# Altium PCB PM.PcbDoc (part 2 of 2)
Units mil, origin at the board's own origin, x right, y up, seen from the top; angles counter-clockwise.
Board outline 527.56 x 1381.89 mil, 4 copper layers (Top Layer 1, Top Layer, Bottom Layer, Bottom Layer 1), stack 62.449 mil thick; 87 components, 77 nets, 297 pads, 164 vias.
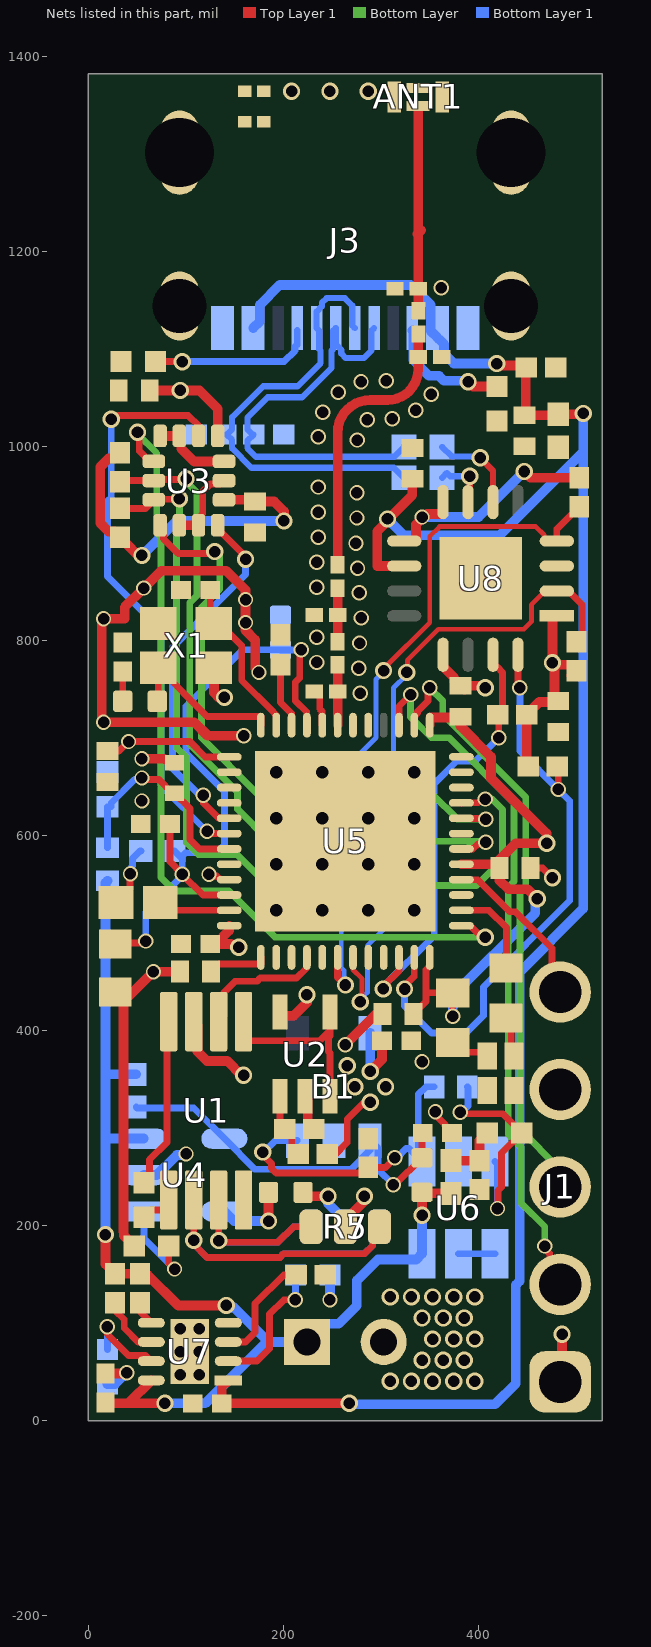
[diagram p4: the nets of this part, all layers, seen from the top]

## Part data (continued)
R13 R14: library part CMP-009-00191-1, "Fixed Resistor, Metal Glaze/thick Film, 0.1W, 5100ohm, 50V, 5% +/-Tol, 200ppm/Cel, Surface Mount, 0402", Case/Package=0402, Max Operating Temperature=155°C, Min Operating Temperature=-55°C, Package Height=0.35mm, Package Length=1mm, Package Shape=Rectangular, Package Width=0.5mm, Power=100mW, Rated Temperature=70°C, Resistor Type="FIXED RESISTOR", Temperature Coefficient (ppm/Cel)=200, Tolerance=5%, Working Voltage=50V, Construction=Rectangular, JESD-609 Code=e3, Mounting Technology="Surface Mount", Packaging="Tape and Reel", Pins=2, Reach SVHC Compliant=Yes, Reference Standard=AEC-Q200, RoHS Compliant=Yes, Technology="METAL GLAZE/THICK FILM", Terminal Finish=Nickel, Termination=Wraparound
R16 R21: library part CMP-009-00022-5, "Chip Resistor, 100 KOhm, +/- 1%, 0.1 W, -55 to 155 degC, 0402 (1005 Metric)", Case/Package=0402, Max Operating Temperature=155°C, Min Operating Temperature=-55°C, Power=100mW, Tolerance=1%, Voltage Rating=50V, Mounting Technology=SM, Pins=2, RoHS Compliant=True
R17: library part CMP-009-00183-1, "Fixed Resistor, Metal Glaze/thick Film, 0.0625W, 1ohm, 50V, 1% +/-Tol, 200ppm/Cel, Surface Mount, 0402", Case/Package=0402, Max Operating Temperature=155°C, Min Operating Temperature=-55°C, Package Height=0.35mm, Package Length=1mm, Package Shape=Rectangular, Package Width=0.5mm, Power=62.5mW, Rated Temperature=70°C, Resistor Type="FIXED RESISTOR", Temperature Coefficient (ppm/Cel)=200, Tolerance=1%, Working Voltage=50V, Additional Feature="LASER TRIMMABLE", Construction=Chip, JESD-609 Code=e3, Mounting Technology="Surface Mount", Packaging="Tape and Reel", Pins=2, Reach SVHC Compliant=Yes, RoHS Compliant=Yes, Technology="METAL GLAZE/THICK FILM", Terminal Finish=Nickel, Termination=Wraparound
R19: library part CMP-009-00194-1, "Fixed Resistor, Metal Glaze/thick Film, 0.0625W, 17800ohm, 50V, 1% +/-Tol, 100ppm/Cel, Surface Mount, 0402", Case/Package=0402, Max Operating Temperature=155°C, Min Operating Temperature=-55°C, Package Height=0.35mm, Package Length=1mm, Package Shape=Rectangular, Package Width=0.5mm, Power=62.5mW, Rated Temperature=70°C, Resistor Type="FIXED RESISTOR", Temperature Coefficient (ppm/Cel)=100, Tolerance=1%, Working Voltage=50V, Additional Feature="LASER TRIMMABLE", Construction=Chip, JESD-609 Code=e3, Mounting Technology="Surface Mount", Packaging="Tape and Reel", Pins=2, Reach SVHC Compliant=Yes, RoHS Compliant=Yes, Technology="METAL GLAZE/THICK FILM", Terminal Finish=Nickel, Termination=Wraparound
R20 R24: library part CMP-009-00179-2, "10 MOhms Â±1% 0.063W, 1/16W Chip Resistor 0402 (1005 Metric) Moisture Resistant Thick Film", Case/Package="1005 Panasonic Electronic Components", Arrow_Electronics-Purchase-URL=https://snapeda.com/shop?store=Arrow+Electronics&id=106124, Availability=Good, Component Type=Standard, Design Item ID=RC0402FR-0710ML, DigiKey-Purchase-URL=https://snapeda.com/shop?store=DigiKey&id=106124, MF=Yageo, Mouser-Purchase-URL=https://snapeda.com/shop?store=Mouser&id=106124, MP=RC0402FR-0710ML, Pins=2, Price=None, SnapEDA_Link=https://www.snapeda.com/parts/RC0402FR-0710ML/Yageo/view-part/106124/?ref=snap, Source=RC0402FR-0710ML.SchLib
R25: library part CMP-009-00184-2, "Fixed Resistor, Metal Glaze/thick Film, 0.063W, 2200000ohm, 50V, 1% +/-Tol, 100ppm/Cel, Surface Mount, 0402", Case/Package=0402, Max Operating Temperature=155°C, Min Operating Temperature=-55°C, Package Height=0.35mm, Package Length=1mm, Package Shape=Rectangular, Package Width=0.5mm, Power=63mW, Rated Temperature=70°C, Resistor Type="FIXED RESISTOR", Temperature Coefficient (ppm/Cel)=100, Tolerance=1%, Working Voltage=50V, Construction=Chip, JESD-609 Code=e3, Mounting Technology="Surface Mount", Packaging="Tape and Reel", Pins=2, Reach SVHC Compliant=Yes, Reference Standard=AEC-Q200, RoHS Compliant=Yes, Technology="METAL GLAZE/THICK FILM", Terminal Finish=Nickel, Termination=Wraparound
R29: library part CMP-009-00185-1, "Fixed Resistor, Metal Glaze/thick Film, 0.1W, 604ohm, 50V, 1% +/-Tol, 100ppm/Cel, Surface Mount, 0402", Case/Package=0402, Max Operating Temperature=155°C, Min Operating Temperature=-55°C, Package Height=0.35mm, Package Length=1mm, Package Shape=Rectangular, Package Width=0.5mm, Power=100mW, Rated Temperature=70°C, Resistor Type="FIXED RESISTOR", Temperature Coefficient (ppm/Cel)=100, Tolerance=1%, Working Voltage=50V, Construction=Rectangular, JESD-609 Code=e3, Mounting Technology="Surface Mount", Packaging="Tape and Reel", Pins=2, Reach SVHC Compliant=Yes, Reference Standard=AEC-Q200, RoHS Compliant=Yes, Technology="METAL GLAZE/THICK FILM", Terminal Finish=Nickel, Termination=Wraparound
R30: library part CMP-009-00186-1, "Fixed Resistor, Metal Glaze/thick Film, 0.1W, 27000ohm, 50V, 1% +/-Tol, 100ppm/Cel, Surface Mount, 0402", Case/Package=0402, Max Operating Temperature=155°C, Min Operating Temperature=-55°C, Package Height=0.35mm, Package Length=1mm, Package Shape=Rectangular, Package Width=0.5mm, Power=100mW, Rated Temperature=70°C, Resistor Type="FIXED RESISTOR", Temperature Coefficient (ppm/Cel)=100, Tolerance=1%, Working Voltage=50V, Construction=Rectangular, JESD-609 Code=e3, Mounting Technology="Surface Mount", Packaging="Tape and Reel", Pins=2, Reach SVHC Compliant=Yes, Reference Standard=AEC-Q200, RoHS Compliant=Yes, Technology="METAL GLAZE/THICK FILM", Terminal Finish=Nickel, Termination=Wraparound
R35 R36: library part CMP-009-00196-1, "Fixed Resistor, Metal Glaze/thick Film, 0.1W, 27ohm, 50V, 5% +/-Tol, 200ppm/Cel, Surface Mount, 0402", Case/Package=0402, Max Operating Temperature=155°C, Min Operating Temperature=-55°C, Power=100mW, Tolerance=5%, Mounting Technology="Surface Mount", Pins=2, RoHS Compliant=Yes
U1: library part CMP-014-00004-2, "Instrumentation Amplifier, 1 Func, 25uV Offset-Max, 0.15MHz Band Width, PDSO8", Average Bias Current-Max (IIB)=200pA, Case/Package=TSSOP, Max Operating Temperature=125°C, Min Operating Temperature=-40°C, Nominal Supply Voltage=5V, Amplifier Type="INSTRUMENTATION AMPLIFIER", Bandwidth (3dB)-Nom=150kHz, Channels=1, Common Mode Rejection Ratio-Min=80dB, Pins=8, RoHS Compliant=Yes
U2: library part CMP-014-00005-1, "Operational Amplifier, 1 Func, 10uV Offset-Max, CMOS, PDSO5", Average Bias Current-Max (IIB)=200pA, Case/Package=TSSOP, Max Operating Temperature=125°C, Min Operating Temperature=-40°C, Nominal Supply Voltage=5V, Power=0W, Amplifier Type="OPERATIONAL AMPLIFIER", Architecture=VOLTAGE-FEEDBACK, Bias Current-Max (IIB) @25C=200pA, Channels=1, Pins=5, RoHS Compliant=Yes
U3: library part CMP-010-00025-3, "Accelerometer, Gyroscope, 6 Axis Sensor Output", Case/Package=None, Availability=Unavailable, Component Type=Standard, Design Item ID=ICM-42688-P, MP=ICM-42688-P, Pins=14, Price=None, Source=ICM-42688-P.SchLib
U4: library part CMP-019-00050-1, "Operational Amplifier, 1 Func, PDSO5", Case/Package=LSSOP, Max Operating Temperature=125°C, Max Supply Voltage=36V, Min Operating Temperature=-40°C, Min Supply Voltage=2.7V, Nominal Supply Voltage=5V, Package Body Material=Plastic, Package Equivalence Code=TSOP5/6,.11,37, Package Shape=Rectangular, Package Style="SMALL OUTLINE, LOW PROFILE, SHRINK PITCHMeter", Peak Reflow Temperature (Cel)=260°C, Power Supplies=3/36V, Supply Current-Max (Isup)=45uA, Temperature Grade=AUTOMOTIVE, Adjustable Threshold=No, Channels=1, Height - Seated (Max)=1.45mm, JESD-30 Code=R-PDSO-G5, JESD-609 Code=e4, Length=2.9mm, Moisture Sensitivity Level=2, Number of Channels=1, Pins=5, Qualification Status="Not Qualified", Reach SVHC Compliant=Yes, RoHS Compliant=Yes, Surface Mount=Yes, Technology=BICMOS, Terminal Finish=Nickel, Terminal Form="Gull Wing", Terminal Pitch=0.95mm, Terminal Position=DUAL, Throw Configuration="POWER SUPPLY SUPPORT CIRCUIT", Width=1.6mm
U5: library part CMP-051-000000-1, "Multi-protocol Bluetooth Low Energy, IEEE 802.15.4, ANT and 2.4GHz proprietary system-on-chip", Component Class=nRF_Devices, Design Item ID=nRF52840-QFAA, Footprint Doc=QFN-48, LatestRevisionDate=2016-11-22, Pad Count=48, Part Number=nRF52840-QFAA, Published=2016-03-31, Source=nrf52840_qfaa.SCHLIB
U6: library part CMP-031-00007-1, "Comparator, 1 Func, 10000uV Offset-Max, 4000ns Response Time, CMOS, PDSO6", Average Bias Current-Max (IIB)=5nA, Case/Package=LSSOP, Input Offset Voltage-Max=10mV, Max Operating Temperature=125°C, Max Supply Current=4uA, Min Operating Temperature=-40°C, Nominal Supply Voltage=5V, Package Body Material=Plastic, Package Equivalence Code=TSOP6,.11,37, Package Shape=Rectangular, Package Style="SMALL OUTLINE, LOW PROFILE, SHRINK PITCHMeter", Peak Reflow Temperature (Cel)=260°C, Power Supplies=2.5V, Supply Voltage Limit-Max=7V, Temperature Grade=AUTOMOTIVE, Time @ Peak Reflow Temperature-Max (s)=40s, Amplifier Type=COMPARATOR, Channels=1, Height - Seated (Max)=1.45mm, JESD-30 Code=R-PDSO-G6, JESD-609 Code=e4, Length=2.9mm, Moisture Sensitivity Level=1, Output Type=PUSH-PULL, Pins=6, Qualification Status="Not Qualified", Reach SVHC Compliant=Yes, Response Time-Nom=4000ns, RoHS Compliant=Yes, Surface Mount=Yes, Technology=CMOS, Terminal Finish=Nickel, Terminal Form="Gull Wing", Terminal Pitch=0.95mm, Terminal Position=DUAL, Width=1.55mm
U7: library part CMP-019-00051-1, "Power Supply Support Circuit, Adjustable, 1 Channel, PDSO8", RoHS Compliant=Yes
U8: library part CMP-015-00008-1, "Microprocessor Circuit, CMOS, PQCC16", Case/Package=HVQCCN, Max Operating Temperature=85°C, Max Supply Voltage=5.5V, Min Operating Temperature=-40°C, Min Supply Voltage=2.97V, Nominal Supply Voltage=5V, Height - Seated (Max)=0.9mm, JESD-30 Code=S-PQCC-N16, JESD-609 Code=e3, Length=4mm, Pins=16, RoHS Compliant=Yes
X1: library part CMP-003-00035-2, "32 MHz ±10ppm Crystal 10pF 60 Ohms 4-SMD, No Lead", Case/Package=SMD/SMT, Frequency=24MHz, Load Capacitance=12pF, Max Operating Temperature=75°C, Min Operating Temperature=-20°C, Crystal/Resonator Type="PARALLEL - FUNDAMENTAL", ESR=80, JESD-609 Code=e4, Mounting Technology=SMT, Pins=4, Reach SVHC Compliant=Yes, RoHS Compliant=Yes

## Via types
v1: diameter 15.75, hole 11.81, Top Layer 1 to Bottom Layer 1, tented both sides, 76 vias
v2: diameter 17.72, hole 11.81, Top Layer 1 to Bottom Layer 1, tented both sides, 68 vias
v3: diameter 25.98, hole 12.99, Top Layer 1 to Bottom Layer 1, 16 vias
v4: diameter 17.72, hole 11.81, Top Layer 1 to Bottom Layer 1, 3 vias
v5: diameter 17.32, hole 11.81, Top Layer 1 to Bottom Layer 1, tented both sides, 1 vias

## Nets (pads, with @x,y where several pads share a name; then routed paths per layer and width w, separated by ;. In a path a pad name is that pad's centre, name@x,y a point inside that pad or via, vN(x,y) a via of type N, cw(c..) or ccw(c..) an arc to the next point about the centre after c; other vN are vias at no path point)
+5: C18.1 C24.2 C25.2 C26.2 C32.1 J3.A4-B9 J3.B4-A9 U7.1 U8.10 | length 2209.4
  Top Layer 1 w10: U7.1@143.7,41.34 136.95,34.59 C32.1@136.95,17.72 v2(267.72,17.72) ; v2@306.53,923.66 332.54,949.66 332.54,966.25 C18.1@332.68,966.4 ; v2(307.09,925.2) 307.09,923.11 296.65,912.68 296.65,876.97 U8.10@324.27,876.97 ; v2(419.29,1084.65) 421.38,1084.65 423.35,1082.68 441.22,1082.68 443.7,1080.2 C24.2@443.7,1075.98 ; C24.2@448.82,1077.52 448.82,1032.62 C26.2@447.83,1031.64 481.3,1031.64 C25.2@482.28,1032.62 507.03,1032.62 v2(507.87,1033.46) ; C24.2@449.21,1080.71 C24.2@449.38,1080.54
  Bottom Layer 1 w7: J3.B4-A9@358.27,1111.37 J3.B4-A9@359.99,1109.65
  Bottom Layer 1 w10: J3.A4-B9@169.29,1121.06 176.1,1127.87 176.1,1144.97 196.49,1165.35 331.07,1165.35 351.45,1144.97 351.45,1118.18 J3.B4-A9@358.27,1111.37 ; v2(267.72,17.72) 268.62,16.81 417.46,16.81 438.74,38.09 438.74,139.16 442.76,143.18 442.76,456.95 442.83,457.03 442.83,460.44 507.87,525.48 507.87,994.09 ; v2(307.09,925.2) 307.21,925.2 324.02,908.39 422.17,908.39 507.87,994.09 ; J3.B4-A9@359.99,1109.65 365.08,1104.56 365.08,1094.74 375.17,1084.65 v2(419.29,1084.65) ; v2(507.87,1033.46) 507.87,994.09
DEC1: C7.2 U5.1 | length 61.2
  Top Layer 1 w7: C7.2@126.12,460.63 134,468.5 177.17,468.5 U5.1@177.17,475.39
DEC3: C10.1 U5.34 | length 66.6
  Top Layer 1 w7: C10.1@197.38,775.55 197.38,737.07 208.66,725.79 U5.34@208.66,713.58
DEC4_6: C4.2 C5.2 C11.1 L4.1 U5.33 U5.46 | length 700
  Top Layer 1 w7: C5.2@27.56,489.17 28.54,490.16 57.09,490.16 v1(59.06,492.13) ; C4.2@83.8,612.2 83.8,573.53 96.46,560.88 v1(96.46,560.59) 117.67,539.37 U5.46@144.68,539.37 ; v1(218.61,790.91) 217.03,790.91 217.03,761.92 212.38,757.27 212.38,739.07 224.24,727.21 224.24,713.75 U5.33@224.41,713.58
  Bottom Layer 1 w7: v1(59.06,492.13) 59.06,521.65 96.46,559.06 v1(96.46,560.59) ; L4.1@87.74,584.65 88.58,584.65 L4.1@96.35,576.88 ; v1@97.83,560.43 97.83,564.24 96.46,565.62 96.46,579.4 99.74,582.68 131.89,582.68 139.76,590.55 139.76,645.67 100.39,685.04 100.39,733.03 158.29,790.93 C11.1@197.38,790.93 ; C11.1@197.38,790.93 v1(218.61,790.91) 218.43,791.08 v1@215.3,791.08
GND: B1.2 C1.1 C2.1 C3.2 C4.1 C5.1 C6.2 C7.1 C8.1 C9.1 C10.2 C11.2 C12.1 C13.1 C14.1 C15.1 C16.1 C17.1 C18.2 C19.1 C20.2 C21.2 C22.1 C23.1 C24.1 C25.1 C26.1 C27.1 C29.1 C30.1 C31.2 C32.2 D1.1 D2.1 J1.4 J3.A1-B12 J3.B1-A12 J3.SH1 J3.SH2 J3.SH3 J3.SH4 L3.2 P1.2 R6.2 R7.1 R13.2 R14.2 R16.1 R22.2 R23.2 R25.2 R28.2 R29.1 R30.1 U1.4 U2.2 U3.2 U3.3 U3.6 U3.7 U3.10 U3.11 U4.2 U5.32 U5.45 U5.49 U6.2 U7.4 U7.9 U8.3 U8.13 U8.17 X1.2 X1.4 | length 1626.6
  Top Layer 1 w7: U3.3@113.19,918.8 116.58,922.19 116.58,929.81 117.48,930.72 117.48,953.32 125.34,961.18 135.88,961.18 U3.6@139.27,964.57 ; v1(123.9,560.59) 125.57,558.91 131.8,558.91 135.59,555.12 U5.45@144.68,555.12 ; U5.49@204.72,653.54 ccw(c263.78,653.54) U5.49@263.78,594.49 ; C12.1@231.96,748.03 233.91,748.03 237.55,744.39 237.55,730.39 239.99,727.95 239.99,713.75 U5.32@240.16,713.58 ; v1(356.3,316.93) 356.3,313.81 366.14,303.96 366.14,302.31 C15.1@373.17,295.28 ; C29.1@454.26,567.13 466.34,567.13 v2(476.38,557.09)
  Top Layer 1 w10: C31.2@17.72,48.37 38.53,48.37 v1(39.37,49.21) ; R16.1@47.24,179.13 36.46,189.92 36.46,193.49 36.26,193.69 36.26,429.96 v1(66.93,460.63) C7.1@94.35,460.63 ; v1(55.12,679.13) 77.88,679.13 78.95,678.07 85.71,678.07 C30.1@88.58,675.2 ; U3.11@73.82,1010.43 U3.10@93.5,1010.43 95.39,1008.54 95.39,997.6 108.74,984.25 U3.7@139.37,984.25 ; U3.2@93.5,918.8 U3.3@113.19,918.8 ; X1.4@128.94,772.64 128.94,747.05 133.86,742.13 v2(139.76,742.13) ; v1(159.45,702.76) 122.64,702.76 108.86,716.54 v1(15.75,716.54) 13.78,718.5 13.78,820.87 v1(15.75,822.83) 37.4,822.83 37.4,834.65 v1(57.09,854.33) 74.8,872.05 141.73,872.05 161.42,852.36 v1(161.42,842.52) 161.42,811.02 171.26,801.18 171.26,771.65 v1(175.2,767.72) ; U2.2@222.44,332.68 225.31,329.8 225.31,304.38 230.49,299.21 R6.2@231.35,299.21 ; R7.1@263.78,198.82 263.78,205.79 283.46,225.47 v2(283.46,230.32) ; v1(263.78,385.83) 295.2,417.24 C22.1@301.89,417.24 ; U8.13@364.17,785.89 364.17,773.64 375.62,762.19 375.62,758.24 379.78,754.08 C27.1@381.89,754.08 386.05,749.92 390.07,753.94 405.51,753.94 v2(407.48,751.97)
  Bottom Layer 1 w10: R30.1@19.68,37.4 27.56,37.4 v1(39.37,49.21) ; U4.2@57.07,251.97 70.32,251.97 90.87,272.52 99.29,272.52 v1(100.39,273.62) ; v1(248.03,124.02) R29.1@248.03,149.61
  other v1: 94.49,47.24 114.17,47.24 94.49,70.87 114.17,70.87 94.49,94.49 114.17,94.49 342.52,368.11 55.12,635.83 278.96,746.32 277.5,771.9 234.31,777.94 278.39,797.91 234.31,803.68 161.42,818.9 280.02,823.66 277.97,849.51 234.31,855.06 276.36,874.65 234.31,880.8 274.7,900.39 236.06,906.49 275.75,926.21 236.06,932.24 275.75,951.95 236.06,957.99 275.93,1006.18 236.06,1009.49 286.14,1027.01 311.87,1028 240.82,1034.79 336.07,1036.79 352.11,1053.29 256.49,1055.22 279.92,1065.89 305.64,1067.08 362.22,1162.52
  other v2: 310.03,40.35 331.69,40.35 353.34,40.35 374.99,40.35 396.65,40.35 342.51,62.01 364.17,62.01 385.82,62.01 353.34,83.66 374.99,83.66 396.65,83.66 342.51,105.31 364.17,105.31 385.82,105.31 310.03,126.97 331.69,126.97 353.34,126.97 374.99,126.97 396.65,126.97
  other v3: 192.91,523.62 240.16,523.62 287.4,523.62 334.65,523.62 192.91,570.87 240.16,570.87 287.4,570.87 334.65,570.87 192.91,618.11 240.16,618.11 287.4,618.11 334.65,618.11 192.91,665.35 240.16,665.35 287.4,665.35 334.65,665.35
NetANT1_1: ANT1.1 C16.2 C17.2
  other v4: 208.66,1364.17 248.03,1364.17 287.4,1364.17
NetANT1_2-3: ANT1.2-3 ANT1.4 ANT1.5-6 L3.1 R11.2 | length 215.8
  Top Layer 1 w9.96: 337.6,1217.52 338.75,1218.67 ; ANT1.2-3@338.58,1349.02 338.75,1349.02 338.75,1218.67 ; R11.2@338.74,1138.95 L3.1@338.75,1161.42 338.75,1218.67 ; 341.54,1221.46 338.75,1218.67
NetB1_1: B1.1 C15.2 R17.2 R18.2 U4.4 | length 406.6
  Top Layer 1 w7: v1(312.99,242.13) 314.96,242.13 R18.2@342.52,269.69 342.52,294.43 C15.2@343.36,295.28
  Bottom Layer 1 w7: R17.2@49.21,321.85 50.2,320.87 108.29,320.87 U4.4@139.78,289.37 171.28,257.87 269.69,257.87 289.37,277.56 B1.1@289.37,287.4 297.24,279.53 297.24,257.87 v1(312.99,242.13)
NetB1_3: B1.3 R20.2 R23.1 U6.1 | length 317.7
  Top Layer 1 w7: v2(179.13,275.59) 179.13,272.69 187.96,263.86 187.96,258.89 192.91,253.94 281.55,253.94 R23.1@287.4,259.79 305.07,259.79 314.52,269.25 v1(314.52,269.68) ; v1@312.99,269.69 v1@312.99,271.65
  Bottom Layer 1 w7: v2(179.13,275.59) 180.44,275.59 192.26,287.4 B1.3@214.57,287.4 ; v1(314.52,269.68) 316.89,269.68 326.73,279.53 328.74,279.53 U6.1@332.68,275.59 ; U6.1@334.65,273.62 U6.1@338.58,269.68 ; U6.1@342.52,265.75 U6.1@338.58,269.68 ; R20.2@355.04,342.52 346.46,342.52 338.58,334.65 U6.1@338.58,269.68
NetC3_1: C3.1 R10.2 | length 27.6
  Top Layer 1 w7: R10.2@35.43,738.19 C3.1@35.43,765.75
NetC13_2: C13.2 L1.2 L2.1 | length 54.8
  Top Layer 1 w9.96: L1.2@255.91,799.38 L2.1@255.91,854.16
NetC14_2: C14.2 L2.2 R11.1 | length 291.7
  Top Layer 1 w9.96: L2.2@255.91,878.12 255.91,1013.78 cw(c289.37,1013.78) 289.37,1047.24 307.09,1047.24 ccw(c307.09,1078.74) 338.58,1078.74 338.58,1089.37 C14.2@338.73,1091.54 ; C14.2@338.73,1091.54 R11.1@338.74,1114.99
NetD1_2: D1.2 R8.1 | length 43.1
  Top Layer 1 w7: R8.1@374.02,387.76 383.82,377.95 407.48,377.95 D1.2@411.42,374.02
NetD2_2: D2.2 R9.1 | length 42.7
  Top Layer 1 w7: R9.1@428.56,413.23 434,407.8 D2.2@434,372.76
NetJ3_A5: J3.A5 R13.1 | length 169.8
  Top Layer 1 w7.01: R13.1@68.9,1086.61 v2(96.46,1086.61)
  Bottom Layer 1 w7.01: v2(96.46,1086.61) 178.05,1086.61 178.16,1086.73 201.12,1086.73 212.17,1097.78 212.17,1101.93 214.57,1104.33 J3.A5@214.57,1118.64
NetJ3_B5: J3.B5 R14.1 | length 128.4
  Top Layer 1 w10: v2(389.76,1065.87) 394.61,1061.02 R14.1@419.29,1061.02
  Bottom Layer 1 w10: J3.B5@332.68,1118.64 333.58,1117.74 333.58,1088.21 349.72,1072.07 359.88,1072.07 365.02,1066.93 389.76,1066.93 v2(389.76,1065.87)
NetL4_2: L4.2 L5.1 | length 65.9
  Top Layer 1 w7: L5.1@28.5,531.5 29.44,531.5 42.84,544.89 42.84,560.55 v1(43.31,561.02)
  Bottom Layer 1 w7: v1@45.28,559.28 44.98,559.57 44.98,568.88 45.28,569.18 45.28,572.78 45.38,572.88 45.38,576.88 53.15,584.65 L4.2@53.99,584.65
NetL5_2: L5.2 U5.47 | length 70.9
  Top Layer 1 w7: L5.2@74.08,524.35 74.8,523.62 U5.47@144.68,523.62
NetR1_2: R1.2 R6.1 U2.1 | length 63.1
  Top Layer 1 w7: U2.1@196.85,328.74 196.85,304.08 R6.1@201.72,299.21 202.19,299.21 208.85,292.56 208.85,280.28 R1.2@215.5,273.62
NetR2_1: R2.1 U1.8 | length 176
  Top Layer 1 w7: R2.1@57.09,244.09 62.99,250 62.99,267.72 80.71,285.43 80.71,385.83 82.68,387.8 U1.8@82.68,409.45
NetR2_2: R2.2 U1.1 | length 35.9
  Top Layer 1 w7: R2.2@57.09,208.66 64.41,215.99 77.32,215.99 82.68,221.35 U1.1@82.68,226.38
NetR5_2: R5.2 R7.3 U1.3 | length 257.5
  Top Layer 1 w7: U1.3@133.86,226.38 134,226.23 134,183.21 v2@135.55,184.76 ; v2(134,184.76) 135.69,183.07 194.88,183.07 210.68,198.86 220.65,198.86 228.78,206.99 R7.3@228.78,207.68
  Bottom Layer 1 w7: v2(134,184.76) 135.69,183.07 194.88,183.07 210.68,198.86 220.65,198.86 228.78,206.99 R5.2@228.78,207.68
NetR5_3: R5.3 R7.2 U1.2 | length 482.1
  Top Layer 1 w7: U1.2@108.27,226.38 v2(108.27,185.04) 108.27,181.1 122.05,167.32 196.66,167.32 200.6,171.26 283.46,171.26 291.95,179.75 291.95,191.99 R7.2@298.78,198.82
  Bottom Layer 1 w7: v2(108.27,185.04) 108.27,181.1 122.05,167.32 196.66,167.32 200.6,171.26 283.46,171.26 291.95,179.75 291.95,191.99 R5.3@298.78,198.82
NetR15_2: R15.2 U4.5 | length 78.9
  Top Layer 1 w10: v2(185.04,204.72) R15.2@185.04,234.25
  Bottom Layer 1 w10: U4.5@139.78,214.57 149.63,204.72 v2(185.04,204.72)
NetR16_2: R16.2 U4.1 | length 98.2
  Top Layer 1 w7: R16.2@82.68,179.13 82.68,161.42 v1(88.58,155.51)
  Bottom Layer 1 w7: U4.1@57.07,214.57 57.07,187.03 v1(88.58,155.51)
NetR19_2: R19.2 R21.1 R22.1 | length 61.3
  Top Layer 1 w10: R19.2@372.05,266.73 401.53,266.73 R22.1@401.57,266.78 401.57,287.4 R21.1@409.45,295.28
NetR20_1: R20.1 R21.2 U6.3 | length 240.8
  Top Layer 1 w7: v1(381.89,316.39) 381.89,314.96 425.2,314.96 R21.2@444.88,295.28 424.13,274.53 424.13,239.54 420.63,236.04 420.63,218.34 v1(419.96,217.67)
  Bottom Layer 1 w7: v1(381.89,316.39) 382.6,315.67 389.76,322.83 389.76,341.81 R20.1@389.06,342.52 ; U6.3@417.32,265.75 419.96,263.11 v1(419.96,217.67)
NetR26_1: R26.1 U7.6 | length 66
  Top Layer 1 w7: R26.1@27.56,121.01 25.59,119.05 25.59,113.74 26.84,113.74 36.96,103.61 36.96,94.93 51.18,80.71 U7.6@64.72,80.71
NetR27_1: R27.1 U7.5 | length 25.4
  Top Layer 1 w7: R27.1@53.15,121.01 53.15,111.97 U7.5@64.72,100.39
NetR28_1: R28.1 U7.3 | length 115.7
  Top Layer 1 w7: U7.3@143.7,80.71 161.42,80.71 171.26,90.55 171.26,120.08 200.79,149.61 R28.1@213.53,149.61
NetR29_2: R29.2 U7.2 | length 141.3
  Top Layer 1 w7: U7.2@143.7,61.02 173.23,61.02 186.02,73.82 186.02,109.25 200.79,124.02 v1(212.6,124.02)
  Bottom Layer 1 w7: v1(212.6,124.02) R29.2@212.6,149.61
NetR30_2: R30.2 U7.7 | length 87.9
  Top Layer 1 w7: v1(19.68,96.46) 19.68,88.58 41.34,66.93 58.82,66.93 U7.7@64.72,61.02
  Bottom Layer 1 w7: R30.2@19.68,72.83 v1(19.68,96.46)
NetU1_5: U1.5 U2.3 U2.4 | length 202.5
  Top Layer 1 w7: U1.5@159.45,409.45 159.45,389.76 237.53,389.76 248.03,400.27 ; U2.3@248.03,328.74 248.03,377.14 246.5,378.67 246.5,392.98 248.03,394.52 248.03,400.27 ; U2.4@248.03,417.32 248.03,400.27
NetU6_4: U6.4 U6.5 | length 37.4
  Bottom Layer 1 w7: U6.5@379.92,171.26 U6.4@417.32,171.26
P0.00/XL1: U5.2
P0.01/XL2: U5.3
P0.02/AIN0: U5.40
P0.03/AIN1: U5.39
P0.04/AIN2: U1.6 U5.4 | length 138.6
  Top Layer 1 w7: U1.6@133.86,409.45 139.22,414.81 139.22,439.47 150.54,450.79 173.23,450.79 176.47,454.03 213.75,454.03 224.24,464.53 224.24,475.23 U5.4@224.41,475.39
P0.05/AIN3: U5.5
P0.07: R34.2 U5.6 U8.4 | length 719.4
  Top Layer 1 w5: v5(303.15,769.68) 304.57,771.1 304.57,773.07 350.39,818.9 350.39,907.26 360.5,917.37 459.12,917.37 467.76,908.73 467.76,905.57 468.31,905.02 471.47,905.02 U8.4@473.93,902.56
  Top Layer 1 w7: U8.4@473.93,902.56 U8.4@480.85,902.56 480.85,914.85 R34.2@503.94,937.94
  Top Layer 1 w7.01: U5.6@255.91,475.39 255.91,454.72 263.76,446.87 v2(263.9,447)
  Bottom Layer 1 w5: v2(263.9,447) 262.6,448.3 262.33,448.3 262.33,461.98 259.59,464.72 259.59,665.02 295.28,700.71 295.28,760.59 303.15,768.47 v5(303.15,769.68)
P0.08: R32.2 U5.7 U8.2 | length 686.7
  Top Layer 1 w5: U5.7@271.65,475.39 271.65,462.6 281.04,453.21 281.04,431.59 v2(279.02,429.57) ; v2(326.77,767.72) 327.43,768.38 327.43,780.19 359.23,811.98 447.04,811.98 454.75,819.69 454.75,837.12 469.01,851.38 U8.2@480.85,851.38
  Top Layer 1 w7.01: U8.2@480.85,851.38 492.68,851.38 506.94,837.12 506.94,805.22 R32.2@500.98,799.26
  Bottom Layer 1 w5: v2(279.02,429.57) 279.02,432.01 286.42,439.41 286.42,487.2 313.15,513.94 313.15,751.72 326.77,765.34 v2(326.77,767.72)
P0.09/NFC1: U5.29
P0.10/NFC2: U5.30
P0.11: R31.2 U5.10 U8.15 | length 451.1
  Top Layer 1 w7: U8.15@415.35,785.89 415.35,775.27 417.44,773.19 419.73,773.19 425.2,767.72
  Top Layer 1 w7.01: v2(302.7,442.91) 302.7,445.41 318.73,461.45 318.73,475.23 U5.10@318.9,475.39 ; v1(421.26,700.79) 421.26,723.38 R31.2@420.23,724.41 421.26,724.41 425.2,728.35 425.2,767.72
  Bottom Layer 1 w7.01: v2(302.7,442.91) 302.7,445.41 355.08,497.8 355.08,653.97 377.7,676.59 397.06,676.59 v1(421.26,700.79)
P0.12: R33.2 U5.11 U8.16 | length 607.1
  Top Layer 1 w7.01: v2(324.62,442.89) 324.62,445.79 334.45,455.62 334.45,466.11 334.65,466.3 U5.11@334.65,475.39 ; U8.16@440.94,785.89 440.94,753.94 v1(442.91,751.97) ; R33.2@481.35,671.26 482.28,670.32 v1(482.28,647.64)
  Bottom Layer 1 w7.01: v2(324.62,442.89) 324.62,425.38 352.36,397.64 387.8,397.64 405.65,415.49 405.65,445.02 494.09,533.46 494.09,635.83 v1(482.28,647.64) 442.91,687.01 v1(442.91,751.97)
P0.13: U3.12 U5.13 | length 894
  Top Layer 1 w7: v2(50.57,1014.22) 52.39,1012.4 52.39,994.86 62.99,984.25 U3.12@67.42,984.25 ; U5.13@382.87,507.87 391.97,507.87 401.73,498.11 405.43,498.11 v2(407.48,496.06)
  Bottom Layer w7: v2(50.57,1014.22) 50.57,1012.43 70.32,992.67 70.32,910.81 74.8,906.33 74.8,557.42 88.91,543.31 144.34,543.31 191.58,496.06 v2(407.48,496.06)
P0.14: R9.2 U5.14 | length 93.8
  Top Layer 1 w7: U5.14@382.87,523.62 411.42,523.62 429.13,505.91 429.13,468.54 R9.2@427.17,466.57
P0.17: U5.15
P0.18/RESET: J1.5 U5.16 | length 170.5
  Top Layer 1 w7: U5.16@382.87,555.12 383.04,554.95 399.77,554.95 432.61,522.12 438.34,522.12 475.75,484.71 475.75,448.27 J1.5@484.25,439.76
P0.19: R4.2 U3.13 U5.18 | length 732.8
  Top Layer 1 w7: R4.2@32.48,963.53 33.51,964.57 67.42,964.57 68.41,965.55 99.41,965.55 v2(100.39,966.54) ; U5.18@382.87,586.61 394.57,586.61 399.79,591.83 406.05,591.83 v1(407.73,593.5)
  Bottom Layer w7: v2(100.39,966.54) 100.39,963.64 111.77,952.26 111.77,846.82 104.14,839.2 104.14,694.09 153.11,645.12 153.11,627.41 186.02,594.49 389.05,594.49 389.35,594.18 407.05,594.18 v1(407.73,593.5)
P0.20: U5.19
P0.21: U3.1 U5.20 | length 628.6
  Top Layer 1 w7: U3.1@73.82,918.8 77.21,915.41 77.21,904.87 92.31,889.76 127.95,889.76 v2(129.92,891.73) ; U5.20@382.87,618.11 383.04,617.94 406.91,617.94 v1(407.73,617.13)
  Bottom Layer w7: v2(129.92,891.73) 131.89,891.73 134.96,888.66 134.96,853.05 116.14,834.23 116.14,700.79 174.21,642.72 353.35,642.72 378.94,617.13 v1(407.73,617.13)
P0.22: R3.2 U3.14 U5.21 | length 877.4
  Top Layer 1 w7: R3.2@32.48,936.07 58.61,936.07 68.9,946.36 69.83,945.43 93.06,945.43 v2(93.61,945.97) ; U5.21@382.87,633.86 383.04,634.03 400.19,634.03 403.96,637.8 v1(407.48,637.8)
  Bottom Layer w7: v2(93.61,945.97) 93.61,926.17 90.55,923.11 90.55,690.71 100.83,680.43 100.83,593.07 113.19,580.71 152.82,580.71 184.32,549.21 398.45,549.21 425.01,575.77 425.01,627.2 414.41,637.8 v1(407.48,637.8)
P0.23: U5.22
P0.24: U5.23
P0.28/AIN4: U3.4 U5.41 | length 376.7
  Top Layer 1 w7: v1(118.11,641.73) 118.11,633.86 133.69,618.28 144.52,618.28 U5.41@144.68,618.11 ; U3.4@132.87,918.8 132.87,914.37 136.26,910.98 137.08,910.98 161.42,886.64 v2(161.42,883.86)
  Bottom Layer 1 w7: v1(118.11,641.73) 114.17,641.73 86.61,669.29 86.61,793.31 161.42,868.11 v2(161.42,883.86)
P0.29/AIN5: U3.9 U5.42 | length 596.9
  Top Layer 1 w7: v2(23.62,1027.56) 26.52,1027.56 30.46,1031.5 102.57,1031.5 113.19,1020.88 U3.9@113.19,1010.33 ; v1(121.89,604.76) 124.25,604.76 126.49,602.53 144.52,602.53 U5.42@144.68,602.36
  Bottom Layer 1 w7: v2(23.62,1027.56) 23.62,947.37 19.68,943.43 19.68,866.14 74.61,811.21 74.61,651.76 121.62,604.76 v1(121.89,604.76)
P0.30/AIN6: C30.2 R24.1 R25.1 U5.43 | length 230.1
  Top Layer 1 w7: v1(55.12,659.45) 56.79,657.78 72.54,657.78 86.61,643.7 C30.2@88.58,643.7 104.33,627.95 104.33,596.46 114.17,586.61 U5.43@144.68,586.61
  Bottom Layer 1 w7: R24.1@19.68,587.87 19.68,629.92 23.62,629.92 23.62,633.69 47.71,657.78 53.44,657.78 v1(55.12,659.45)
P0.31/AIN7: U5.44
P1.00: U5.24
P1.08: U5.8 | length 0.2
  Top Layer 1 w7.01: U5.8@287.4,475.39 U5.8@287.57,475.23
P1.09: U5.9
P1.15: U5.38
RF: C12.2 L1.1 U5.31 | length 61.8
  Top Layer 1 w9.96: U5.31@255.91,713.58 C12.2@255.92,748.03 ; C12.2@255.92,748.03 L1.1@255.91,775.42
SWDCLK: J1.2 U5.27 | length 720.8
  Top Layer 1 w7: U5.27@318.9,713.58 319.06,713.75 319.06,733.04 331.01,744.98 v1(331.01,745.08) ; v1(468.5,179.13) 468.5,176.77 473.54,171.73 473.54,150.48 J1.2@484.25,139.76
  Bottom Layer w7: v1@330.71,744.78 330.71,722.05 351.97,700.79 370.08,700.79 437.01,633.86 437.01,553.22 430.91,547.12 430.91,294.24 444.26,280.9 444.26,223.2 468.5,198.95 v1(468.5,179.13)
SWDIO: J1.3 U5.26 | length 617.6
  Top Layer 1 w7: U5.26@334.65,713.58 334.65,722.68 337.96,725.99 337.96,727.59 348.72,738.36 348.72,750.29 v1(350.39,751.97)
  Bottom Layer w7: v1(350.39,751.97) 363.86,738.51 363.86,724.73 449.01,639.57 449.01,548.25 442.91,542.15 442.91,299.21 484.25,257.87 J1.3@484.25,239.76
USBD2_N: R35.2 U8.7 | length 59.1
  Top Layer 1 w6.36: U8.7@389.76,942.46 389.76,955.69 391.53,957.46 v2(391.53,969.07)
  Bottom Layer 1 w6.36: R35.2@363.19,967.52 368.11,972.44 371.48,969.07 v2(391.53,969.07)
USBD2_P: R36.2 U8.6 | length 94.5
  Top Layer 1 w6.36: v2(402.24,987.89) 415.35,974.77 U8.6@415.35,942.46
  Bottom Layer 1 w6.36: R36.2@363.19,999.02 372.81,989.4 400.72,989.4 v2(402.24,987.89)
USBD_N: C21.1 J3.A7 J3.B7 R35.1 | length 466.2
  Bottom Layer 1 w6.36: C21.1@141.34,1011.81 C21.1@142.13,1011.81 ; J3.A7@273.62,1121.06 270.89,1123.79 270.89,1144.21 263.23,1151.88 244.64,1151.88 239.85,1147.09 239.85,1143.4 234.25,1137.8 J3.B7@234.25,1121.06 236.98,1118.34 236.98,1099.32 238.42,1097.88 238.42,1085.12 214.78,1061.48 179.59,1061.48 147.64,1029.53 147.64,1017.32 C21.1@142.13,1011.81 ; R35.1@323.82,967.52 313.56,977.78 167.42,977.78 147.64,997.56 147.64,1006.3 C21.1@142.13,1011.81
USBD_P: C23.2 J3.A6 J3.B6 R36.1 | length 444
  Bottom Layer 1 w6.36: J3.B6@293.31,1121.06 290.58,1118.34 290.58,1097.91 282.92,1090.25 264.33,1090.25 259.54,1095.04 259.54,1098.73 253.94,1104.33 J3.A6@253.94,1121.06 251.21,1118.34 251.21,1099.32 249.77,1097.88 249.77,1080.41 219.48,1050.12 184.29,1050.12 163.39,1029.21 163.39,1017.32 168.9,1011.81 C23.2@169.68,1011.81 163.39,1005.51 163.39,997.87 172.13,989.13 313.94,989.13 R36.1@323.82,999.02
VBATT: C31.1 P1.1 R17.1 R18.1 R19.1 R24.2 R26.2 R27.2 U4.3 U6.6 U7.8 | length 1220.3
  Top Layer 1 w10: v2(17.68,190.94) 17.72,160.48 R26.2@27.56,150.64 R27.2@53.15,150.64 54.18,149.61 61.02,149.61 92.38,118.25 v2(141.73,118.25) ; C31.1@19.68,18.56 20.53,17.72 41.94,17.72 v2(78.74,17.72) ; 41.94,18.56 U7.8@64.72,41.34 ; v2(342.52,210.63) R18.1@342.52,234.25 343.5,233.27 R19.1@372.05,233.27
  Bottom Layer 1 w10: v2(17.68,190.94) 17.72,289.37 ; R24.2@19.68,553.86 17.72,551.89 17.72,356.3 ; R17.1@49.21,355.32 18.7,355.32 17.72,356.3 ; U4.3@57.07,289.37 17.72,289.37 ; v2(78.74,17.72) 120.08,17.72 183.07,80.71 185.04,80.71 ; v2(141.73,118.25) 141.73,116.14 149.61,116.14 185.04,80.71 ; P1.1@205.79,62.09 P1.1@224.41,80.71 ; v2(342.52,210.63) U6.6@342.52,171.26 336.61,165.35 297.24,165.35 275.59,143.7 275.59,118.11 256.81,99.33 243.03,99.33 P1.1@224.41,80.71 ; 17.72,289.37 17.72,356.3 ; 185.04,80.71 P1.1@224.41,80.71
VCC: B1.5 C2.2 C8.2 C9.2 C19.2 C22.2 C27.2 C29.2 J1.1 R1.1 R5.1 R8.2 R15.1 U1.7 U2.5 U3.8 U5.12 U5.17 U5.25 U5.37 U5.48 | length 1350.5
  Top Layer 1 w7: C9.2@15.75,687.15 31.64,687.15 v1(41.34,696.85) 104.33,696.85 120.08,681.1 U5.37@144.68,681.1 ; R1.1@245.13,273.62 247.1,271.65 251.97,271.65 265.75,285.43 265.75,309.06 283.46,326.77 v2(289.37,326.77) ; C22.2@333.66,417.24 346.46,430.04 346.46,438.98 346.46,462.6 350.39,466.54 U5.12@350.39,475.39 ; 346.49,439.01 R8.2@374.02,439.01 v1(374.02,414.92)
  Top Layer 1 w10: C2.2@63.13,1057.09 v2(94.49,1057.09) 114.17,1057.09 132.87,1038.39 U3.8@132.87,1010.33 ; U1.7@108.27,409.45 112.13,405.59 112.13,378.81 122,368.94 142.75,368.94 157.36,354.33 v2(159.45,354.33) ; U5.48@144.68,507.87 144.68,502.95 130.91,489.17 C8.2@125.14,489.17 146.53,489.17 148.45,487.26 153.05,487.26 v2(154.53,485.78) ; U2.5@196.85,415.35 210.63,415.35 224.41,429.13 v2(224.41,437.01) ; R15.1@220.47,234.25 224.41,230.32 v2(246.06,230.32) ; v2(289.37,358.27) 301.55,370.45 C19.2@301.55,389.82 ; U5.25@350.39,713.58 350.39,720.32 351.46,721.38 358.19,721.38 358.27,721.46 C27.2@378.8,721.46 ; C27.2@381.89,722.3 381.89,712.6 413.39,681.1 413.39,659.45 470.47,602.36 v2(470.47,592.52) 438.98,592.52 422.1,575.65 C29.2@422.1,566.93 ; U5.17@382.87,570.87 418.17,570.87 C29.2@422.1,566.93 ; C29.2@421.26,566.09 C29.2@422.1,566.93 ; v2(460.63,535.43) 450.79,545.28 431.1,545.28 422.1,554.27 C29.2@422.1,566.93 ; J1.1@484.25,39.76 486.22,41.73 v2(486.22,88.58)
  Bottom Layer 1 w7: v2@458.58,533.38 v2(460.63,535.43)
  Bottom Layer 1 w10: v2(246.06,230.32) 246.06,222.93 263.78,205.21 R5.1@263.78,198.82 ; v2(289.37,358.27) B1.5@289.37,397.64 ; v1(374.02,414.92) 374.02,436.04 458.58,520.6 v2@458.58,533.38
  other v2: 273.62,342.52 305.12,342.52 265.75,364.17
VCCIO: C20.1 R31.1 R32.1 R33.1 R34.1 U8.1 U8.8 U8.9 | length 481.6
  Top Layer 1 w10: U8.9@324.27,902.56 335.7,902.56 336.4,903.26 336.4,919.49 342.52,925.61 v1(342.52,927.17) 344.08,927.17 347.25,930.34 363.47,930.34 364.17,931.04 U8.8@364.17,942.46 ; v2(447.35,973.91) 453.69,967.57 R34.1@503.94,967.57 ; R33.1@451.72,671.26 449.85,673.13 R31.1@449.85,724.41 462.79,737.35 C20.1@483.13,737.35 ; U8.1@480.85,825.79 475.39,825.79 476.38,824.8 v2(476.38,777.56) v2@478.35,775.59 ; C20.1@485.24,737.35 C20.1@483.13,737.35 ; R32.1@495.83,764.48 R32.1@500.98,769.64 500.98,770.44 495.83,775.59 v2@478.35,775.59 ; v2@478.35,775.59 478.35,742.13 C20.1@483.13,737.35
  Bottom Layer 1 w10: v1(342.52,927.17) 400.61,927.17 v2(447.35,973.91)
VDDIO: C1.2 R3.1 R4.1 U3.5 | length 378.5
  Top Layer 1 w10: R4.1@32.48,993.16 32.48,992.3 27.33,987.14 20.78,987.14 12.33,978.69 12.33,920.91 20.78,912.46 27.33,912.46 32.48,907.31 32.48,905.58 37.63,900.43 38.5,900.43 51.13,887.8 v2(55.12,887.8) ; U3.5@139.27,944.88 169.43,944.88 C1.2@171.26,943.05 190.8,943.05 200.79,933.07 v2(200.79,923.23)
  Bottom Layer 1 w10: v2(55.12,887.8) 90.55,923.23 v2(200.79,923.23)
XC1: C6.1 U5.35 X1.1 | length 170.3
  Top Layer 1 w7: C6.1@125.14,852.36 125.14,821.71 X1.1@128.94,817.91 139.76,807.09 145.67,807.09 157.48,795.28 157.48,759.71 187.93,729.27 192.91,724.28 U5.35@192.91,713.58
XC2: R10.1 U5.36 X1.3 | length 169.8
  Top Layer 1 w7: R10.1@70.87,738.19 71.85,739.17 X1.3@71.85,772.64 122.05,722.44 177.17,722.44 U5.36@177.17,713.58
pads on no net: B1.4 J3.A8 J3.B8 U5.28 U8.5 U8.11 U8.12 U8.14

## Polygon pours and split planes (outlines as drawn)
VCC on Bottom Layer 1 "VCC" (solid, pour order 0): 253.94,415.35 324.8,415.35 324.8,314.96 253.94,314.96
GND on Bottom Layer 1 "GND" (solid, pour order 1): 299.21,141.73 413.39,141.73 413.39,35.43 407.48,29.53 299.21,29.53
GND on Bottom Layer 1 "GND" (solid, pour order 17): 0,1381.89 165.35,1381.89 165.35,1185.04 362.2,1185.04 362.2,1381.89 527.56,1381.89 527.56,0 0,0
GND on Top Layer 1 "GND" (solid, pour order 21): 0,1381.89 165.35,1381.89 165.35,1185.04 362.2,1185.04 362.2,1381.89 527.56,1381.89 527.56,0 0,0
GND on Top Layer 1 "VCC" (solid, pour order 2): 299.21,141.73 421.26,141.73 421.26,43.31 407.48,29.53 299.21,29.53
VCCIO on Bottom Layer "VCCIO_L03_P016" (solid, pour order 16): 287.4,907.48 369.09,989.17 527.56,989.17 527.56,629.92 514.76,629.92 447.83,629.92 287.4,790.35
VCC on Bottom Layer "VCC" (solid, pour order 18): 0,1381.89 165.35,1381.89 165.35,1185.04 362.2,1185.04 362.2,1381.89 527.56,1381.89 527.56,0 0,0
GND on Top Layer "GND" (solid, pour order 15): 0,1381.89 165.35,1381.89 165.35,1185.04 362.2,1185.04 362.2,1381.89 527.56,1381.89 527.56,0 0,0

## Keep-outs
Top Layer 1:
  rectangle: 145.67,474.41 381.89,712.6
Keep-Out Layer:
  rectangle: 165.35,1185.04 362.2,1381.89

## Other copper
Top Layer 1:
  pour cut-out: 254 vertices and 0 holes, not listed, extent 240.76,701.97 353.91,1174.78
  region net NetANT1_1: 175.2,1374.02 175.2,1318.9 187.01,1318.9 187.01,1354.33 308.46,1354.33 308.46,1342.52 320.87,1342.52 320.87,1374.02
  region net NetANT1_2-3: 326.77,1374.02 326.77,1185.04 350.39,1185.04 350.39,1342.52 362.2,1342.52 362.2,1374.02
Bottom Layer 1:
  region net NetANT1_1: 173.23,1374.02 308.46,1374.02 308.46,1354.33 173.23,1354.33